# Altium PCB Modulo-1B-TY.PcbDoc (continued)
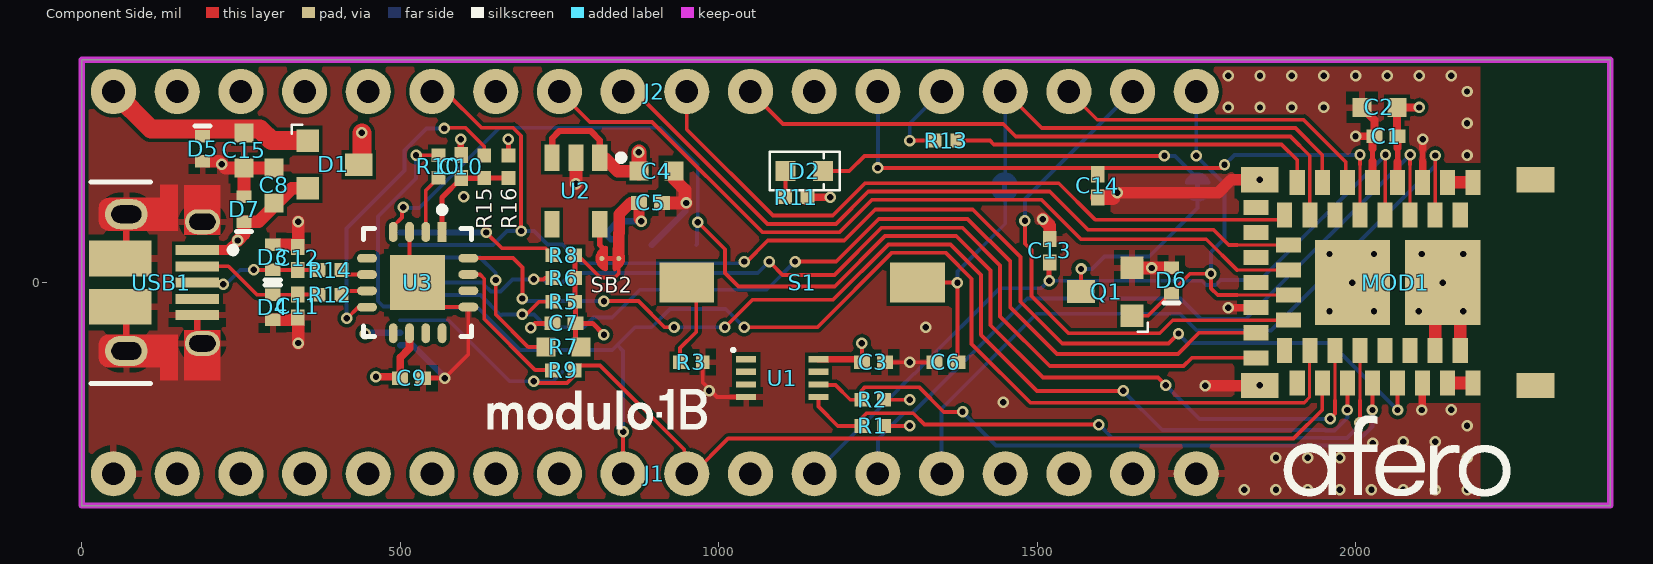
[diagram p0: Component Side view]
## Part data (continued)
R9 R10 R11: library part 0402R-1k, "Resistor 1k", Case/Package=0402, Case Code (Metric)=1005, Manufacturer=Yageo, Manufacturer Part Number=RT0402-FRE071KL, Max Operating Temperature=125°C, Max Power Dissipation=63mW, Min Operating Temperature=-55°C, Package Quantity=10000, Power Rating=62.5mW, Supplier Part Number 1=YAG1234CT-ND, Temperature Coefficient=50ppm/°C, Tolerance=1%, Voltage Rating=50V, Case Code (Imperial)=0402, ComponentLink1Description=https://datasheet.ciiva.com/12834/pyu-rt-1-to-0-05-rohs-l-4-12834181.pdf, ComponentLink1URL=https://datasheet.ciiva.com/12834/pyu-rt-1-to-0-05-rohs-l-4-12834181.pdf, ComponentLink2Description=https://datasheet.ciiva.com/25647/pyu-rt-1-to-0-05-rohs-l-4-25647306.pdf, ComponentLink2URL=https://datasheet.ciiva.com/25647/pyu-rt-1-to-0-05-rohs-l-4-25647306.pdf, ComponentLink3Description=https://datasheet.ciiva.com/8896/pyu-rt-1-to-0-05-rohs-l-4-8896188.pdf, ComponentLink3URL=https://datasheet.ciiva.com/8896/pyu-rt-1-to-0-05-rohs-l-4-8896188.pdf, Composition="Thin Film", Contact Plating=Tin,Lead,Matte, Depth=0.5mm, Height=0.014inch, item_number=E-RES-00002-00, Lead Free="Lead Free", Length=1mm, Military Standard=Not, Number of Terminations=2, Packaging="Tape and Reel", Pricing 1="1=0.1, 10=0.076, 100=0.029, 1000=0.0128, 2500=0.011, 5000=0.0099 (USD)", Radiation Hardening=No, Resistance=1k, Stock 1=16655, Supplier 1=Digi-Key, Termination=SMD/SMT, Voltage Rating (DC)=50V, Width=0.02inch
R12 R14: library part 0402R-27R, "Resistor 27R", Case/Package=0402, Case Code (Metric)=1005, Manufacturer=Vishay, Manufacturer Part Number=CRCW040227R0FKED, Max Operating Temperature=155°C, Max Power Dissipation=63mW, Min Operating Temperature=-55°C, Package Quantity=10, Supplier Part Number 1=541-27.0LCT-ND, Temperature Coefficient=100ppm/°C, Tolerance=1%, Voltage Rating=50V, Case Code (Imperial)=0402, ComponentLink1Description=https://datasheet.ciiva.com/3883/41394838s8306212n6892-3883398.pdf, ComponentLink1URL=https://datasheet.ciiva.com/3883/41394838s8306212n6892-3883398.pdf, ComponentLink2Description=https://datasheet.ciiva.com/2463/dcrcwe3-2463072.pdf, ComponentLink2URL=https://datasheet.ciiva.com/2463/dcrcwe3-2463072.pdf, ComponentLink3Description=https://datasheet.ciiva.com/11811/0900766b80d98824-11811652.pdf, ComponentLink3URL=https://datasheet.ciiva.com/11811/0900766b80d98824-11811652.pdf, ComponentLink4Description=https://datasheet.ciiva.com/16886/dcrcwe3-16886856.pdf, ComponentLink4URL=https://datasheet.ciiva.com/16886/dcrcwe3-16886856.pdf, ComponentLink5Description=https://datasheet.ciiva.com/7672/1697337-7672793.pdf, ComponentLink5URL=https://datasheet.ciiva.com/7672/1697337-7672793.pdf, ComponentLink6Description=https://datasheet.ciiva.com/8336/dcrcwe3-8336681.pdf, ComponentLink6URL=https://datasheet.ciiva.com/8336/dcrcwe3-8336681.pdf, ComponentLink7Description=https://datasheet.ciiva.com/7672/1697337-7672794.pdf, ComponentLink7URL=https://datasheet.ciiva.com/7672/1697337-7672794.pdf, ComponentLink8Description=https://datasheet.ciiva.com/22675/1912744-22675082.pdf, ComponentLink8URL=https://datasheet.ciiva.com/22675/1912744-22675082.pdf, ComponentLink9Description=https://datasheet.ciiva.com/16373/dcrcwe3-16373179.pdf, ComponentLink9URL=https://datasheet.ciiva.com/16373/dcrcwe3-16373179.pdf, ComponentLink10Description=https://datasheet.ciiva.com/26316/fld-crcw-e3-data-en-26316667.pdf, ComponentLink10URL=https://datasheet.ciiva.com/26316/fld-crcw-e3-data-en-26316667.pdf, ComponentLink11Description=https://datasheet.ciiva.com/22870/70201119-22870060.pdf, ComponentLink11URL=https://datasheet.ciiva.com/22870/70201119-22870060.pdf, ComponentLink12Description=https://datasheet.ciiva.com/5548/dcrcwe3-109170-5548813.pdf, ComponentLink12URL=https://datasheet.ciiva.com/5548/dcrcwe3-109170-5548813.pdf, ComponentLink13Description=https://datasheet.ciiva.com/2463/dcrcwe3-2463070.pdf, ComponentLink13URL=https://datasheet.ciiva.com/2463/dcrcwe3-2463070.pdf, ComponentLink14Description=https://datasheet.ciiva.com/22704/1697337-22704430.pdf, ComponentLink14URL=https://datasheet.ciiva.com/22704/1697337-22704430.pdf, ComponentLink15Description=https://datasheet.ciiva.com/2463/dcrcwe3-2463071.pdf, ComponentLink15URL=https://datasheet.ciiva.com/2463/dcrcwe3-2463071.pdf, Composition="Thick Film", Contact Plating=Tin, Depth=0.5mm, Height=0.35mm, item_number=E-RES-00007-00, Lead Free="Lead Free", Length=1mm, Military Standard=Not, Number of Pins=2, Number of Terminations=2, Packaging="Tape and Reel", Power Rating=63mW, Pricing 1="1=0.1, 10=0.044, 100=0.0178, 1000=0.008, 2500=0.007, 5000=0.0058 (USD)", Radiation Hardening=No, REACH SVHC=Unknown, Resistance=27, Stock 1=23435, Supplier 1=Digi-Key, Termination=SMD/SMT, Voltage Rating (DC)=50V, Weight=2.3E-05oz, Width=0.02inch
R15 R16: library part 0402R-0R0, "Resistor 0R", Case/Package=0402, Case Code (Metric)=1005, Manufacturer=Yageo, Manufacturer Part Number=RC0402FR-070RL, Max Operating Temperature=155°C, Min Operating Temperature=-55°C, Power Rating=62.5mW, Resistance=0mR, Supplier Part Number 1=603-RC0402FR-070RL, Temperature Coefficient=200ppm/°C, Tolerance=1%, Voltage Rating=50V, Case Code (Imperial)=0402, ComponentLink1Description=https://datasheet.ciiva.com/8896/pyu-rc0402-51-rohs-l-6-8896149.pdf, ComponentLink1URL=https://datasheet.ciiva.com/8896/pyu-rc0402-51-rohs-l-6-8896149.pdf, ComponentLink2Description=https://datasheet.ciiva.com/16790/pyu-rc0402-51-rohs-l-6-r-16790444.pdf, ComponentLink2URL=https://datasheet.ciiva.com/16790/pyu-rc0402-51-rohs-l-6-r-16790444.pdf, ComponentLink3Description=https://datasheet.ciiva.com/28419/pyu-rc0402-51-rohs-l-6-28419661.pdf, ComponentLink3URL=https://datasheet.ciiva.com/28419/pyu-rc0402-51-rohs-l-6-28419661.pdf, ComponentLink4Description=https://datasheet.ciiva.com/16869/pyu-rc0402-51-rohs-l-6-16869518.pdf, ComponentLink4URL=https://datasheet.ciiva.com/16869/pyu-rc0402-51-rohs-l-6-16869518.pdf, Composition="Thick Film", Contact Plating=Tin,Matte, Height=0.35mm, item_number=item_name, Lead Free="Lead Free", Length=1mm, Packaging="Tape and Reel", Pricing 1="1=0.1, 10=0.01, 50=0.01, 100=0.003, 1000=0.002, 10000=0.002 (USD)", Radiation Hardening=No, Stock 1=240535, Supplier 1=Mouser, Termination=SMD/SMT, Width=0.5mm
S1: "SMD Tact Switch", Contact Current Rating=50mA, Contact Resistance=100mR, Manufacturer="TE Connectivity Alcoswitch", Max Operating Temperature=85°C, Max Voltage Rating (DC)=12V, Min Operating Temperature=-35°C, Operating Force=180gf, Package Quantity=1000, Supplier Part Number 1=450-1140-ND, Voltage Rating (DC)=24V, Actuator Length=0.042inch, Actuator Material=Polyamide, Actuator Type=Standard, ComponentLink1Description=https://datasheet.ciiva.com/5801/1651495-5801350.pdf, ComponentLink1URL=https://datasheet.ciiva.com/5801/1651495-5801350.pdf, ComponentLink2Description=https://datasheet.ciiva.com/14540/70156014-14540390.pdf, ComponentLink2URL=https://datasheet.ciiva.com/14540/70156014-14540390.pdf, ComponentLink3Description=https://datasheet.ciiva.com/5283/ng-cd-1437566-3-c1-116271-5283400.pdf, ComponentLink3URL=https://datasheet.ciiva.com/5283/ng-cd-1437566-3-c1-116271-5283400.pdf, ComponentLink4Description=https://datasheet.ciiva.com/2899/fsmseries-2899676.pdf, ComponentLink4URL=https://datasheet.ciiva.com/2899/fsmseries-2899676.pdf, Contact Material=Brass, Contact Plating=Silver, Current Rating=50mA, Electrical Life=20000Cycles, ELV=Compliant, Illumination Type=Non-Illuminated,Illuminated, item_number=E-SWI-00020-00, Lead Free="Lead Free", Manufacturer Part Number=FSMSM, Mechanical Life=20000Cycles, Mount="Surface Mount", Orientation=Straight, Packaging="Loose Piece", Pricing 1="1=0.27, 10=0.259, 25=0.25, 50=0.241, 100=0.2276, 250=0.2142, 500=0.2053, 1000=0.1562, 5000=0.1294 (USD)", REACH SVHC=Unknown, Stock 1=15505, Supplier 1=Digi-Key, Switch Function=Off-Mom, Switch Travel=0.25mm, Termination="Gull Wing", Throw Configuration=SPST, Type=Switch
SB1 SB2 SB3: library part SBNC, "Solderbridge, Normally Closed", Part Number="Solderbridge Shorted", Artikkelnr Noca=N.A., Artikkelnr Simpro=N.A., Footprint Doc=Solderbridge_Shorted, LatestRevisionDate=2012-08-07, Pin Count=2, Published=2012-08-07, Publisher="Nordic Semiconductor"
TP3 TP4 TP5 TP6 TP7 TP8 TP9 TP10 TP11: "1mm Test Point", item_number=item_name
U1: "Afero Custom CryptoAuthentication Device", Manufacturer="Microchip / Atmel", Manufacturer Part Number=ATECC508A-MAHCZ-T, Max Operating Temperature=85°C, Min Operating Temperature=-40°C, Supplier Part Number 1=1611-ATECC508A-MAHCZ-TCT-ND, item_number=E-ICS-00072-00, Mount="Surface Mount", Packaging="Tape and Reel", Pricing 1="1=0.35, 25=0.32, 100=0.29 (USD)", Stock 1=4638, Supplier 1=Digi-Key
U2: "Low Current Consumption LDO", Case/Package=SOT-23-5, Dropout Voltage=160mV, Manufacturer=Seiko, Output Voltage=3.3V, Output Voltage Accuracy=1%, Supplier Part Number 1=S-1313A33-M5T1U3-ND, item_number=E-ICS-00092-00, Manufacturer Part Number=S-1313A33-M5T1U3, Stock 1=0, Supplier 1=Digi-Key
U3: "USB to UART Bridge", Manufacturer=FTDI, Manufacturer Part Number=FT230XQ-R, Maximum Operating Temperature="+ 85 C", Minimum Operating Temperature="- 40 C", Operating Supply Current="6.5 mA to 8.3 mA", Operating Supply Voltage="2.97 V to 5.5 V", Package / Case=QFN-16, Supplier Part Number 1=895-FT230XQ-R, Supply Voltage - Max="5.5 V", Supply Voltage - Min="2.97 V", Brand=FTDI, Category="USB Interface IC", ComponentLink1Description=http://www.mouser.com/ds/2/163/DS_FT230X-5395.pdf, ComponentLink1URL=http://www.mouser.com/ds/2/163/DS_FT230X-5395.pdf, Data Rate="12 Mb/s", Interface Type="UART, USB", item_number=E-ICS-00053-00, Minimum Order Quantity=1, Moisture Sensitive=Yes, Mounting Style=SMD/SMT, Packaging="Cut Tape", Pricing 1="1=2.04, 25=1.97, 100=1.90, 250=1.71, 500=1.54, 1000=1.46, 2500=1.38, 5000=1.38 (USD)", Product="USB Bridge Controllers", Reeling=True, RoHS="RoHS Compliant", RoHS - Mouser=Y, Series=FT230, Speed="Full Speed", Standard="USB 2.0", Standard Pack Qty=5000, Stock 1=86769, Supplier 1=Mouser, Tradename=X-CHIP, Type="Bridge, USB to UART"
USB1: "MICRO USB B", Current Rating=1.8A, Insulation Resistance=1GR, Manufacturer="Amphenol FCI", Max Operating Temperature=85°C, Max Voltage Rating (AC)=100V, Min Operating Temperature=-55°C, Package Quantity=1500, Supplier Part Number 1=609-4050-1-ND, ComponentLink1Description=https://datasheet.ciiva.com/8015/10103594-8015248.pdf, ComponentLink1URL=https://datasheet.ciiva.com/8015/10103594-8015248.pdf, ComponentLink2Description=https://datasheet.ciiva.com/11731/0900766b80ed1ae4-11731328.pdf, ComponentLink2URL=https://datasheet.ciiva.com/11731/0900766b80ed1ae4-11731328.pdf, ComponentLink3Description=https://datasheet.ciiva.com/14618/70236822-14618885.pdf, ComponentLink3URL=https://datasheet.ciiva.com/14618/70236822-14618885.pdf, ComponentLink4Description=https://datasheet.ciiva.com/22654/1469075-22654519.pdf, ComponentLink4URL=https://datasheet.ciiva.com/22654/1469075-22654519.pdf, ComponentLink5Description=https://datasheet.ciiva.com/851/10103594-851115.pdf, ComponentLink5URL=https://datasheet.ciiva.com/851/10103594-851115.pdf, ComponentLink6Description=https://datasheet.ciiva.com/5726/10103594-5726971.pdf, ComponentLink6URL=https://datasheet.ciiva.com/5726/10103594-5726971.pdf, ComponentLink7Description=https://datasheet.ciiva.com/851/10103594-851116.pdf, ComponentLink7URL=https://datasheet.ciiva.com/851/10103594-851116.pdf, ComponentLink8Description=https://datasheet.ciiva.com/851/10103594-851117.pdf, ComponentLink8URL=https://datasheet.ciiva.com/851/10103594-851117.pdf, Connector Type=USB,Receptacle, Contact Material="Copper,Copper Alloy", Contact Plating=Gold, Features=Shielded, Gender=Receptacle, Housing Material=Thermoplastic, item_number=M-CON-00011-00, Lead Free="Lead Free", Length=8.04mm, Manufacturer Part Number=10103594-0001LF, Mount="Surface Mount,Horizontal", Number of Contacts=5, Number of Ports=1, Number of Terminals=5, Orientation="Right Angle", Packaging="Tape and Reel", Pitch=0.65mm, Pricing 1="1=0.82, 10=0.721, 25=0.6788, 50=0.6504, 100=0.6221, 250=0.5655, 500=0.509 (USD)", Radiation Hardening=No, REACH SVHC="No SVHC", Stock 1=103885, Supplier 1=Digi-Key, Termination=Solder, USB Standard="USB 2.0", Voltage Rating=100V
J1 J2: item_number=M-CON-00058-00

## Via types
v1: diameter 18, hole 10, Component Side to Solder Side, tented both sides, 124 vias

## Nets (pads, with @x,y where several pads share a name; then routed paths per layer and width w, separated by ;. In a path a pad name is that pad's centre, name@x,y a point inside that pad or via, vN(x,y) a via of type N, cw(c..) or ccw(c..) an arc to the next point about the centre after c; other vN are vias at no path point)
3V3: C1.1 C2.1 C3.1 C5.1 C7.1 J1.15 J3.2 MOD1.4 R1.1 R2.1 R5.1 R6.1 R7.1 R8.1 R11.2 R16.2 SB2.2 TP10.1 U1.8 | length 1551.9
  Component Side w6: R5.1@774.61,-30 R5.1@774.61,-25 ; R8.1 779.11,43 814.15,7.95 837,7.95 843.3,14.25 SB2.2 ; R11.2@1135.43,125 R11.2@1135.77,124.67 ; C3.1@1225,-120.55 v1(1225,-95.47) ; R1.1@1260.43,-225 v1(1300,-225) ; R2.1@1260.43,-184 v1(1300,-184)
  Component Side w8: R16.2 v1(670,225) ; R5.1@774.61,-30 775.11,-30.5 C7.1 ; R5.1 R6.1 R8.1 ; R7.1 775.11,-92.11 C7.1 ; v1(820,-81.69) 802.31,-64 C7.1 ; 843.3,77.55 843.75,78 ; 2066.31,189.62 2066.31,210.94
  Component Side w10: v1@444,-83.16 445,-82.16 v1(445,-80) ; U1.8 1156.77,-120.55 1220.55,-120.55 C3.1
  Component Side w12: R11.2 v1(1175,134) ; MOD1.4 2065.93,189.62 ; 2065.93,211.32 C1.1 2065,230.5 C2.1 v1(2100,275)
  Component Side w18: SB2.2 843.3,77.55 ; 843.75,78 843.75,107.35 862.02,125.62 C5.1@876.25,125.62 ; C5.1 875,99.97 v1(878.38,96.59)
  Signal Layer 1 w10: v1(445,-80) 445,-22 444,-21 v1(600,135) 839.97,135 v1(878.38,96.59)
  Solder Side w10: v1(445,-80) 446.26,-78.74 J3.2 ; TP10.1@833.02,68.02 830.55,68.02 825,73.57 825,79.31 842.28,96.59 v1(878.38,96.59)
GND: C1.2 C2.2 C3.2 C4.2 C5.2 C6.2 C7.2 C8.2 C9.2 C10.2 C11.2 C12.2 C13.2 C14.2 C15.2 D3.2 D4.2 D5.2 D6.2 D7.2 J1.1 J1.18 J3.1 MOD1.3 MOD1.5 MOD1.13 MOD1.21 MOD1.42 MOD1.43 MOD1.44 MOD1.45 MOD1.47 MOD1.48 Q1.2 R3.2 TP9.1 U1.4 U2.2 U3.3 U3.13 U3.17 USB1.5 USB1.6 USB1.7 USB1.8 USB1.9 USB1.10 USB1.11 | length 2414.8
  Component Side w6: U3.3 514.7,12.8 U3.17 565.89,-38.39 U3.13 607.03,-112.97 v1(570,-150) C9.2 ; C10.2@595,205 C10.2@600,200 ; v1@947.42,126.91 v1(949.33,125) ; R3.2 975,-156.82 985,-166.82 v1(985,-169.53) 987.71,-169.53 997.71,-179.53 U1.4 ; C3.2 v1(1300,-125) C6.2 ; MOD1.13 MOD1.13@1844.49,-39.37 ; v1(2104,-200) v1@2104.65,-199.35 ; MOD1.21@2104.65,-158.13 MOD1.21 ; MOD1.44@2124.98,-11.81 v1(2136.8,0)
  Component Side w8: v1(705,-71) 712,-64 C7.2 ; 1618.76,133.89 v1(1626.12,141.25) ; MOD1.48@1848.69,-162.12 v1(1849.39,-161.42) ; 2026.56,190.41 2026.56,210 ; 2105.3,189.55 2105.3,210.56
  Component Side w10: USB1.11 70.28,-47.74 USB1.8 ; USB1.10 70.28,47.74 USB1.9 ; USB1.5 181.5,-87.4 USB1.7 ; C10.2@595,205 v1(595,225)
  Component Side w12: C12.2@337.17,56.22 337.97,57.03 C12.2@340,59.06 ; v1(1800,-39.37) MOD1.13 ; v1(2000,229.57) C1.2 ; C2.2 2029.71,255.29 C1.2 ; MOD1.5 2026.56,190.41 ; 2026.56,210 2026.56,226.42 C1.2 ; v1@2104.65,-199.35 MOD1.21@2104.65,-158.13 ; MOD1.3 2105.3,189.55 ; 2105.3,210.56 v1(2105.3,225)
  Component Side w18: v1(1626.12,141.25) 1784.42,141.25 1804.59,161.42 v1(1849.39,161.42) ; v1(1764,-162.12) MOD1.48@1848.69,-162.12
  Component Side w20: D5.2 215.37,190.63 v1(220,186) 226,180 C15.2 ; D7.2 C15.2 ; D4.2 340,-58.53 v1(340,-94.93) ; D3.2 335.63,59.37 337.97,57.03 C12.2 ; C8.2 C15.2 ; C12.2@340,59.06 v1(340,95.47) ; v1(776,155) U2.2 ; C5.2 v1(949.33,125) ; C4.2 930,163.04 947.42,145.62 v1@947.42,126.91 ; v1(1509,99.68) 1520,88.68 C13.2 ; Q1.2 v1(1680,23) D6.2 ; MOD1.42 MOD1.44@2124.98,-11.81 ; v1(2136.8,0) 2164.35,-27.56 MOD1.43
  Component Side w24: C14.2 1618.76,133.89
  Solder Side w10: J3.1 519.68,-98.43 570,-148.74 v1(570,-150) ; TP9.1 947.8,111.86 947.8,123.47 v1(949.33,125)
  other v1: 1825,-325 1875,-325 1925,-325 1975,-325 2025,-325 2075,-325 2125,-325 2175,-325 1875,-275 1925,-275 1975,-275 2175,-275 2027,-252 2075,-250 2125,-250 2175,-225 2150,-199.35 1447,-188 1325,-70 1959,-45 2029,-45 2099,-45 2169,-45 1995.06,0 1959,45 2029,45 2104,45 2169,45 2175,200 2175,250 1800,275 1850,275 1900,275 1950,275 2175,300 1800,325 1850,325 1900,325 1950,325 2000,325 2050,325 2100,325 2150,325
HOST_INT_N: C14.1 J2.6 MOD1.28 | length 979.8
  Component Side w5: MOD1.28 2007,106.43 2007,185
  Component Side w6: v1(1250,180) 1789.23,180 v1(1794.23,185) ; 2007,185 v1(2007,200.55)
  Solder Side w6: v1(1250,180) J2.6 ; v1(1794.23,185) 1809.78,200.55 v1(2007,200.55)
HOST_UART_CTS: MOD1.18 TP4.1 U3.16 | length 1746.3
  Component Side w6: U3.16 677.21,38.39 692,23.59 v1(692,-25) ; v1(820,-29) 874,-29 915,-70 v1(930,-70) ; v1(1010,-70) 1053,-27 1179.68,-27 1266.68,60 1364,60 1412,12 1412,-82 1500,-170 v1(1635,-170) ; v1(1987.19,-200) MOD1.18
  Solder Side w6: v1(692,-25) 695.69,-28.69 819.69,-28.69 v1(820,-29) ; v1(930,-70) TP4.1 v1(1010,-70) ; v1(1635,-170) 1696.57,-231.57 1952.11,-231.57 1952.54,-232 1967.46,-232 1987.19,-212.27 v1(1987.19,-200)
HOST_UART_RTS: MOD1.38 TP3.1 U3.4 | length 2080
  Component Side w5: 1967.5,-185 MOD1.38
  Component Side w6: U3.4 489.11,88.39 503.09,102.36 503.09,116.2 v1(505,118.11) ; v1(967.33,95) 1010,52.33 1010,15 1031,-6 1182.3,-6 1261.3,73 1373,73 1427,19 1427,-67 1509.16,-149.16 1690,-149.16 v1(1702.26,-161.42) ; v1(1960,-214) 1960,-213 1967.5,-205.5 1967.5,-185
  Solder Side w6: v1(505,118.11) 506.11,117 530,117 656,243 909,243 967.33,184.67 v1(967.33,95) 966.17,93.83 966.17,60.22 TP3.1 ; v1(1702.26,-161.42) 1754.84,-214 v1(1960,-214)
HOST_UART_RX: J1.10 J3.3 MOD1.17 R9.2 TP6.1 | length 1734.7
  Component Side w6: v1(710,-155) 712.83,-157.83 762.17,-157.83 774.72,-145.28 774.72,-130 814,-130 946,-262 946,-296 J1.10 960,-300 1015,-245 1902.82,-245 1947.82,-200 MOD1.17
  Solder Side w6: J3.3 575.75,-59.06 671.7,-155 v1(710,-155) 740,-155 TP6.1
HOST_UART_TX: J1.9 J3.4 MOD1.37 R10.2 TP5.1 | length 2313.9
  Component Side w5: 1805,-188.6 1816.76,-188.6 1919.43,-188.6 1927.76,-180.27 1927.76,-106.67 MOD1.37
  Component Side w6: v1(525,200) R10.2 ; J1.9 v1(850,-234) ; v1(1040,-70) 1155.07,-70 1272.07,47 1356,47 1397,6 1397,-96.16 1489.44,-188.6 1805,-188.6
  Solder Side w6: v1(525,200) 525,163.57 465.41,103.98 465.41,-29.32 473.56,-37.46 498.09,-37.46 J3.4 622,-39.37 688.63,-106 833,-106 840.81,-98.19 ; v1@850,-237 v1(850,-234) 850,-107.37 840.81,-98.19 ; v1(1040,-70) 1011.32,-41.32 923.68,-41.32 TP5.1 869,-70 840.81,-98.19
IO0_A0: D6.1 J2.1 MOD1.34 Q1.1 | length 613.5
  Component Side w5: 1814,-19.68 MOD1.34
  Component Side w6: Q1.1 1674,-52 1740,14 v1(1773,14) 1773,-9 1783.68,-19.68 1814,-19.68
  Solder Side w6: J2.1 v1(1750,199) 1794.23,154.77 1794.23,69.23 1773,48 v1(1773,14)
IO1_A1: J2.2 MOD1.35 | length 831.5
  Component Side w5: 1814,-59.06 MOD1.35
  Component Side w6: v1(1481,97) 1481,61 1491,51 1491,-21 1549.53,-79.53 1692.47,-79.53 1712.94,-59.06 1814,-59.06
  Solder Side w6: v1(1481,97) 1481,131 J2.2
IO2_A2: J2.3 MOD1.6 | length 513.4
  Component Side w6: J2.3 1594.43,255.57 1918.43,255.57 1984.66,189.34 1984.66,160.01 MOD1.6
IO3_A3: J2.4 MOD1.7 SB3.1 | length 715.8
  Component Side w6: J2.4 1507.43,242.57 1905.8,242.57 1947.82,200.55 MOD1.7
  Solder Side w6: SB3.1@1450,166.3 J2.4
IO4_D4: J2.8 MOD1.30 | length 1012.8
  Component Side w5: MOD1.30 1928.13,185
  Component Side w6: J2.8 1101,249 1447,249 1466.43,229.57 1897.76,229.57 1928.13,199.19 1928.13,185
IO5_D5: J2.9 MOD1.31 | length 1102.1
  Component Side w5: 1814,98.8 1881.26,98.8 MOD1.31
  Component Side w6: J2.9 950,240.62 1085.45,105.17 1179.17,105.17 1230,156 1534,156 1591.2,98.8 1814,98.8
IO6_D6: J2.10 MOD1.32 | length 1186.6
  Component Side w5: 1814,59.06 MOD1.32
  Component Side w6: J2.10 869,300 1076.83,92.17 1184.17,92.17 1235,143 1520,143 1580,83 1777,83 1800.94,59.06 1814,59.06
IO7_D7: J2.11 MOD1.33 | length 1302.9
  Component Side w5: 1814,19.68 MOD1.33
  Component Side w6: J2.11 797.75,252.25 895.48,252.25 1068.55,79.17 1190.17,79.17 1241,130 1507,130 1569,68 1765.68,68 1814,19.68
NetC4_1: C4.1 D1.3 U2.1 U2.3 | length 764.7
  Component Side w10: U2.3 738.6,226.6 750,238 799,238 813.4,223.6 U2.1
  Component Side w20: U2.1@821.13,195.37 841.5,175 C4.1
  Component Side w24: C4.1@874.88,175.12 v1(874.88,204.62)
  Component Side w30: D1.3 440,190 v1(440,235) ; C4.1@874.88,175.12 C4.1
  Signal Layer 1 w30: v1(440,235) 506,169 632,169 658,195 841,195 851,205 874.5,205 v1(874.88,204.62)
NetC6_1: C6.1 S1.1 SB3.2 | length 358.6
  Component Side w6: S1.1 v1(1375,0) C6.1
  Solder Side w6: v1(1375,0) 1375,17.48 1450,92.48 SB3.2@1450,139.7
NetC10_1: C10.1 R15.1 R16.1 U3.1 | length 171
  Component Side w8: U3.1 565.89,133.78 C10.1 631.61,163.89 R15.1 R16.1
NetC11_1: C11.1 D4.1 R12.1 USB1.2 | length 209.5
  Component Side w6: USB1.2 230.25,25.59 275,-19.16 D4.1 338.73,-19.16 C11.1 372.02,-18.89 R12.1
NetC12_1: C12.1 D3.1 R14.1 USB1.3 | length 201.5
  Component Side w6: USB1.3 184.21,-2.72 v1(222.01,-2.72) ; v1(270,20) D3.1 338.78,20 C12.1 372.18,19.78 R14.1
  Solder Side w6: v1(222.01,-2.72) 226.23,-2.72 248.95,20 v1(270,20)
NetD2_A: D2.A R11.1 | length 41.4
  Component Side w6: R11.1 1105,134.72 D2.A
NetD2_K: D2.K SB1.2 | length 612.6
  Component Side w6: D2.K 1205,175.12 1228.88,199 v1(1700,199)
  Solder Side w6: v1(1700,199) 1716.3,199 SB1.2
NetJ3_8: J3.8 R7.2 | length 325.2
  Component Side w6: v1(650,4) 650,-50 701,-101 R7.2
  Solder Side w6: J3.8 625.63,39.37 650,15 v1(650,4)
NetJ3_10: J3.10 R8.2 | length 254.1
  Component Side w6: v1(635,78.74) 659.89,53.85 728.43,53.85 R8.2
  Solder Side w10: J3.10 v1(635,78.74)
NetMOD1_1: MOD1.1 MOD1.2 | length 39.4
  Component Side w20: MOD1.2 MOD1.1
NetMOD1_22: MOD1.22 MOD1.23 | length 39.4
  Component Side w20: MOD1.22 MOD1.23
NetQ1_3: Q1.3 SB1.1 | length 279.7
  Component Side w6: Q1.3 v1(1569,21.39)
  Solder Side w6: v1(1569,21.39) 1586.39,21.39 1606,41 1676.14,41 1752,116.86 1750.64,116.86 1752,118.22 SB1.1
NetR3_1: R3.1 S1.2 | length 141.7
  Component Side w6: R3.1 939.57,-102.87 965,-77.44 965,-15 S1.2
NetR9_1: R9.1 U3.15 | length 239.5
  Component Side w6: U3.15 625.2,12.8 632,6 632,-57 712,-137 737.28,-137 R9.1
  Component Side w8: U3.15@598.17,12.8 U3.15
NetR10_1: R10.1 U3.2 | length 93.2
  Component Side w6: U3.2 540.3,144.86 R10.1
NetR15_2: R15.2 U3.8 | length 506
  Component Side w6: v1(416,-56) 417,-56 434.42,-38.58 U3.8 ; v1(569,242) 570,243 602.46,243 632,213.46 R15.2
  Solder Side w6: v1(416,-56) 416,85 507,176 507,207.46 541.54,242 v1(569,242)
NetSB2_1: SB2.1 U2.5 | length 55.2
  Component Side w8: 813.4,59 U2.5 ; 813.55,59 816.7,55.85 SB2.1
RESET_N: J2.13 J3.9 MOD1.20 TP11.1 | length 2176.4
  Component Side w6: J2.13 570.57,300 627.57,243 677.46,243 690,230.46 v1(690,81) ; v1@1042,31 1077.17,66.17 1197.17,66.17 1246,115 1399,115 1474,40 1474,-30 1539.47,-95.47 1706.53,-95.47 v1(1722,-80) ; v1(2065.93,-200) MOD1.20
  Solder Side w6: J3.9 646,59.06 667.94,81 v1(690,81) 710.22,81 731.22,60 TP11.1 784.63,30.37 1036.04,30.37 1036.67,31 v1@1042,31 ; v1@1721.47,-80.53 1735.94,-95 1960.93,-95 v1(2065.93,-200)
  other v1: 1040,33.09
SCL: MOD1.19 R2.2 U1.6 | length 1015.3
  Component Side w6: U1.6 1157.61,-160.76 1183.53,-160.76 1206.77,-184 R2.2 1224.28,-169.72 1229.83,-164.17 1314.63,-164.17 1353.46,-203 v1(1383,-203) ; v1(2026.56,-200) MOD1.19
  Solder Side w6: v1(1383,-203) 1435.57,-255.57 1942.17,-255.57 1942.6,-256 1996.33,-256 2026.56,-225.77 v1(2026.56,-200)
SDA: MOD1.39 R1.2 U1.5 | length 1035.3
  Component Side w5: 2006.87,-185 MOD1.39
  Component Side w6: U1.5 1156.69,-194.69 1187,-225 R1.2 1225,-225 1225,-212.33 1232.16,-205.17 1305.63,-205.17 1323.46,-223 v1(1597,-223) ; v1(2006.87,-220) 2006.87,-185
  Solder Side w6: v1(1597,-223) 1617.57,-243.57 1947.14,-243.57 1947.57,-244 1986.43,-244 2006.87,-223.55 v1(2006.87,-220)
SPI_CS_N: C13.1 J1.12 MOD1.27 | length 1233.5
  Component Side w5: MOD1.27 2046.62,106.67 2046.62,185
  Component Side w6: 2046.62,185 2046.62,200.17 v1(2047,200.55)
  Component Side w8: v1(1519,3) C13.1@1519,31.28
  Solder Side w6: J1.12 1282,-168 1282,-167.54 1292.54,-157 1293,-157 1307,-143 1307.46,-143 1318,-132.46 1318,-132 1441,-9 1506,-9 1518,3 v1(1519,3) 1758.54,3 1765.54,-4 1780.46,-4 1788.46,4 1850.45,4 v1(2047,200.55)
SPI_MISO: J1.14 MOD1.25 | length 1166.2
  Component Side w5: MOD1.25 2124.98,185
  Component Side w6: 2124.98,185 v1(2124.98,199.57)
  Solder Side w6: J1.14 1350,-198 1499,-49 1724.64,-49 1750.64,-75 1867,-75 2124.98,182.98 v1(2124.98,199.57)
SPI_MOSI: J1.13 MOD1.26 | length 1195.7
  Component Side w5: MOD1.26 2085.61,185
  Component Side w6: 2085.61,185 v1(2085.61,200.55)
  Solder Side w6: J1.13 1250,-246 1291,-205 1304.46,-205 1484.46,-25 1725,-25 1757.37,-57.37 1827.69,-57.37 v1(2085.61,200.55)
SPI_SCLK: MOD1.8 R13.2 | length 581.4
  Component Side w6: R13.2 1426,223 1432,217 1884,217 1908.45,192.55 MOD1.8
SPI_SCLK_R: J2.5 R13.1 | length 137
  Component Side w6: v1(1300,223) R13.1
  Solder Side w6: v1(1300,223) 1300,250 J2.5
SWCLK: J3.6 MOD1.15 R6.2 TP8.1 | length 1579.8
  Component Side w6: v1(710,5) 725,5 727,7 R6.2 ; v1@1082.25,30.3 1100.55,12 1181.91,12 1255.91,86 1383,86 1442,27 1442,-53 1520,-131 1730,-131 1742.89,-118.11 MOD1.15
  Solder Side w6: J3.6 629,0 632,-3 632,-3.46 642.54,-14 657.46,-14 676.46,5 v1(710,5) 725,5 730,0 TP8.1 770.09,15.09 1061.54,15.09 1076.75,30.3 v1@1079.54,30.3
  other v1: 1079.54,33.09
SWDIO: J3.5 MOD1.14 R5.2 TP7.1 | length 1636.7
  Component Side w6: v1(692,-50) 698,-50 718,-30 R5.2 ; v1(1120,33.09) 1184.62,33.09 1251.53,100 1391,100 1458,33 1458,-39 1531,-112 1721,-112 1754.26,-78.74 MOD1.14 MOD1.14@1844.49,-78.74
  Solder Side w6: J3.5 626,-19.68 658.32,-52 660.32,-50 v1(692,-50) 710,-50 730,-70 TP7.1 788.46,-70 803.46,-55 833,-55 876.74,-11.26 1075.65,-11.26 v1(1120,33.09)
USB_N: R12.2 U3.7 | length 42.8
  Component Side w6: R12.2 413.88,-12.99 U3.7
USB_P: R14.2 U3.6 | length 47.3
  Component Side w6: R14.2 407.72,12.6 U3.6
VIN: C15.1 D1.1 D5.1 J2.18 | length 336.9
  Component Side w30: J2.18 109,241 280,241 298,223 D1.1
VUSB: C8.1 C9.1 D1.2 D7.1 U3.10 USB1.1 | length 698.2
  Component Side w10: U3.10@514.7,-89.41 U3.10
  Component Side w12: v1(462,-148) 498,-148 C9.1 500,-117.7 514.7,-103 U3.10@514.7,-89.41
  Component Side w15: USB1.1 230.01,51.18 v1(245,66.17)
  Component Side w20: v1(245,66.17) 255,76.17 D7.1 277.63,95.63 330,148 D1.2
  Signal Layer 1 w20: v1(245,66.17) 287.83,66.17 382,-28 382,-117 413,-148 v1(462,-148)
pads on no net: J1.2 J1.3 J1.4 J1.5 J1.6 J1.7 J1.8 J1.11 J1.16 J1.17 J2.7 J2.12 J2.14 J2.15 J2.16 J2.17 J3.7 J3.11 J3.12 MOD1.9 MOD1.10 MOD1.11 MOD1.12 MOD1.16 MOD1.24 MOD1.29 MOD1.36 MOD1.40 MOD1.41 MOD1.46 MOD1.49 U1.1 U1.2 U1.3 U1.7 U2.4 U3.5 U3.9 U3.11 U3.12 U3.14 USB1.4

## Polygon pours and split planes (outlines as drawn)
3V3 on Signal Layer 1 "3V3 Region" (solid, remove dead copper, pour order 0): 395,375 -25,375 -25,-375 1505,-375 2195,-375 2195,375
GND on Signal Layer 2 "GND region" (solid, remove dead copper, pour order 2): -45,420 -45,-410 2195,-410 2195,424.9
GND on Solder Side "GND_L04_P004" (solid, pour order 4): -32,438.2 -32,-476.8 2196,-476.8 2196,438.2
GND on Component Side "GND_L01_P006" (solid, remove dead copper, pour order 6): -32,438.2 -32,-476.8 2196,-476.8 2196,438.2

## Keep-outs
Keep-Out Layer:
  the board outline again, w10

## Other copper
Component Side:
  pour cut-out: 1816.76,-188.6 1817.91,-189.75 2200,-189.75 2200,187.25 2199.38,187.88 1817,187.88

## Silkscreen, mask and mechanical layers (free items; w line width, h text height)
Top Overlay:
  drawing of 3973 lines, arcs and shapes, not listed
Bottom Overlay:
  circle w7.87: c1749,63 r3.61
  circle w5.91: c1750,-85 r0.5
  circle w5.91: c1450,-85 r0.5
  circle w5.91: c1749.32,60 r25
  lines w5.91: 1430,-55 1470,-55 ; 1440,-70 1460,-70 ; 1450,-55 1450,-35 1460,-26.91 1440,-20 1460,-10 1440,0 1450,6.57 1450,30 ; 1450,122 1450,80 1450,65 1470.95,35.68 ; 1450,178 1450,188 ; 1450,240 1450,257 ; 1729.66,-55 1769.66,-55 ; 1736,48 1763,48 ; 1736,68 1763,68 ; 1736.21,67.79 1749,55 1762.78,67.79 ; 1740,-70 1760,-70 ; 1749,48 1749,6.13 1739.66,0 1759.66,-10 1739.66,-20 1759.66,-26.91 1749.66,-35 1749.66,-55 ; 1750,70 1750,122 ; 1750,177 1750,188 ; 1750,241 1750,257 ; 1769.66,30.68 1774.66,25 ; 1779.66,40 1784.66,35
  lines w7.87: 740,125 800,125 825,100 ; 895,100 920,125 970,125
  text "SCLK" at 1376,223 h50 r60
  text "INT" at 1275,219 h50 r60
  text "RESET" at 579,218 h50 r60
  text "IO7" at 781,200 h50
  text "IO6" at 882,200 h50
  text "IO5" at 983,200 h50
  text "IO4" at 1083,200 h50
  text "IO3" at 1484,200 h50
  text "IO2" at 1583,200 h50
  text "IO1" at 1681,200 h50
  text "IO0" at 1781,200 h50
  text "VIN" at 173,187 h50
  text "5.5V MAX" at 220,153 h40
  text "3V3" at 725,115 h39.37
  text "GND" at 1060,115 h39.37
  text "RESET" at 725,45 h39.37
  text "RTS" at 1060,45 h39.37
  text "SWCLK" at 725,-10 h39.37
  text "SWDIO" at 725,-80 h39.37
  text "TX" at 865,-80 h39.37
  text "CTS" at 1060,-80 h39.37
  text "Modulo-1B-TY / A-PCB-00038-00 / PVT" at 2231,-147 h50 r270
  text "RX" at 725,-155 h39.37
  text "GND" at 113,-225 h50
  text "TX" at 850,-225 h50 r300
  text "RX" at 950,-225 h50 r300
  text "CS" at 1150,-225 h50 r300
  text "MOSI" at 1250,-225 h50 r300
  text "MISO" at 1348,-225 h50 r300
  text "3V3 / OUT" at 1496,-225 h50
  text "GND" at 1799,-225 h50
Mechanical 1:
  drawing of 400 lines, arcs and shapes, not listed
  text "Layer" at 24.92,5631.46 h60
  text "Name" at 434.84,5631.46 h60
  text "Material" at 1374.58,5631.46 h60
  text "Thickness" at 2234.34,5631.46 h60
  text "Constant" at 2884.18,5631.46 h60
  text "Board Layer Stack" at 3454.04,5631.46 h60
  text "1" at 24.92,5511.46 h60
  text "Top Overlay" at 434.84,5511.46 h60
  text "2" at 24.92,5391.46 h60
  text "Top Solder" at 434.84,5391.46 h60
  text "Solder Resist" at 1374.58,5391.46 h60
  text "0.40mil" at 2234.34,5391.46 h60
  text "3.5" at 2884.18,5391.46 h60
  text "3" at 24.92,5271.46 h60
  text "Component Side" at 434.84,5271.46 h60
  text "Copper" at 1374.58,5271.46 h60
  text "1.40mil" at 2234.34,5271.46 h60
  text "4" at 24.92,5151.46 h60
  text "Dielectric 1" at 434.84,5151.46 h60
  text "FR408" at 1374.58,5151.46 h60
  text "6.70mil" at 2234.34,5151.46 h60
  text "4.2" at 2884.18,5151.46 h60
  text "5" at 24.92,5031.46 h60
  text "Signal Layer 2" at 434.84,5031.46 h60
  text "Copper" at 1374.58,5031.46 h60
  text "0.71mil" at 2234.34,5031.46 h60
  text "6" at 24.92,4911.46 h60
  text "Dielectric 3" at 434.84,4911.46 h60
  text "FR408" at 1374.58,4911.46 h60
  text "47.00mil" at 2234.34,4911.46 h60
  text "4.2" at 2884.18,4911.46 h60
  text "7" at 24.92,4791.46 h60
  text "Signal Layer 1" at 434.84,4791.46 h60
  text "Copper" at 1374.58,4791.46 h60
  text "0.71mil" at 2234.34,4791.46 h60
  text "8" at 24.92,4671.46 h60
  text "Dielectric 4" at 434.84,4671.46 h60
  text "FR408" at 1374.58,4671.46 h60
  text "6.70mil" at 2234.34,4671.46 h60
  text "4.2" at 2884.18,4671.46 h60
  text "9" at 24.92,4551.46 h60
  text "Solder Side" at 434.84,4551.46 h60
  text "Copper" at 1374.58,4551.46 h60
  text "1.40mil" at 2234.34,4551.46 h60
  text "10" at 24.92,4431.46 h60
  text "Bottom Solder" at 434.84,4431.46 h60
  text "Solder Resist" at 1374.58,4431.46 h60
  text "0.40mil" at 2234.34,4431.46 h60
  text "3.5" at 2884.18,4431.46 h60
  text "11" at 24.92,4311.46 h60
  text "Bottom Overlay" at 434.84,4311.46 h60
Mechanical 13:
  text "Copyright 2018, 2019 Afero, Inc. /  / Licensed under the Apache License, Version 2.0 (the \"License\");  / you may not use this file except in compliance with the License.   / You may obtain a copy of the License at /  /    http://www.apache.org/licenses/LICENSE-2.0 /  / Unless required by applicable law or agreed to in writing, software  / or hardware designs distributed under the License are distributed  / on an \"AS IS\" BASIS, WITHOUT WARRANTIES OR CONDITIONS  / OF ANY KIND, either express or  implied.  See the License for the  / specific language governing permissions and limitations under the  / License." at 3417,-368 h60
Drill Drawing:
  circle w10: c41.29,2231.59 r27.67
  lines w10: 13.62,2383.77 68.96,2383.77 41.29,2328.43 13.62,2383.77 ; 13.62,2452.94 68.96,2452.94 68.96,2508.28 13.62,2508.28 13.62,2452.94 ; 13.62,2577.45 41.29,2591.28 68.96,2577.45 55.12,2605.11 68.96,2632.78 41.29,2618.95 13.62,2632.78 27.46,2605.11 13.62,2577.45
  lines w15: -36.54,2166.57 8502.1,2166.57 ; -36.54,2664.6 8502.1,2664.6 ; 426.15,2042.07 426.15,2789.11 ; 919.15,2042.07 919.15,2789.11 ; 1835.34,2042.07 1835.34,2789.11 ; 2260.68,2042.07 2260.68,2789.11 ; 2875.21,2042.07 2875.21,2789.11 ; 4314.15,2042.07 4314.15,2789.11 ; 4809.19,2042.07 4809.19,2789.11 ; 5433.68,2042.07 5433.68,2789.11 ; 6424.55,2042.07 6424.55,2789.11 ; 7332.44,2042.07 7332.44,2789.11 ; -36.54,2042.07 8502.1,2042.07 8502.1,2789.11 -36.54,2789.11 -36.54,2042.07
  text "Symbol" at 38.17,2701.95 h59.76
  text "Count" at 463.5,2701.95 h59.76
  text "Hole Size" at 956.5,2701.95 h59.76
  text "Plated" at 1872.69,2701.95 h59.76
  text "Hole Type" at 2298.03,2701.95 h59.76
  text "Drill Layer Pair" at 2912.56,2701.95 h59.76
  text "Via/Pad" at 4351.51,2701.95 h59.76
  text "Pad Shape" at 4846.55,2701.95 h59.76
  text "Template" at 5471.03,2701.95 h59.76
  text "Hole Length" at 6461.9,2701.95 h59.76
  text "Routed Path Length" at 7369.79,2701.95 h59.76
  text "124" at 463.5,2577.45 h49.8
  text "10.00mil (0.254mm)" at 956.5,2577.45 h49.8
  text "PTH" at 1872.69,2577.45 h49.8
  text "Round" at 2298.03,2577.45 h49.8
  text "Component Side - Solder Side" at 2912.56,2577.45 h49.8
  text "Via" at 4351.51,2577.45 h49.8
  text "Rounded" at 4846.55,2577.45 h49.8
  text "v46h25m0mx0" at 5471.03,2577.45 h49.8
  text "-" at 6461.9,2577.45 h49.8
  text "-" at 7369.79,2577.45 h49.8
  text "36" at 463.5,2452.94 h49.8
  text "35.43mil (0.900mm)" at 956.5,2452.94 h49.8
  text "PTH" at 1872.69,2452.94 h49.8
  text "Round" at 2298.03,2452.94 h49.8
  text "Component Side - Solder Side" at 2912.56,2452.94 h49.8
  text "Pad" at 4351.51,2452.94 h49.8
  text "Rounded" at 4846.55,2452.94 h49.8
  text "c180h90" at 5471.03,2452.94 h49.8
  text "-" at 6461.9,2452.94 h49.8
  text "-" at 7369.79,2452.94 h49.8
  text "2" at 463.5,2328.43 h49.8
  text "25.59mil (0.650mm)" at 956.5,2328.43 h49.8
  text "PTH" at 1872.69,2328.43 h49.8
  text "Slot" at 2298.03,2328.43 h49.8
  text "Component Side - Solder Side" at 2912.56,2328.43 h49.8
  text "Pad" at 4351.51,2328.43 h49.8
  text "Rounded" at 4846.55,2328.43 h49.8
  text "r140_100h65_105r100" at 5471.03,2328.43 h49.8
  text "41.34mil (1.050mm)" at 6461.9,2328.43 h49.8
  text "15.75mil (0.400mm)" at 7369.79,2328.43 h49.8
  text "2" at 463.5,2203.92 h49.8
  text "27.56mil (0.700mm)" at 956.5,2203.92 h49.8
  text "PTH" at 1872.69,2203.92 h49.8
  text "Slot" at 2298.03,2203.92 h49.8
  text "Component Side - Solder Side" at 2912.56,2203.92 h49.8
  text "Pad" at 4351.51,2203.92 h49.8
  text "Rounded" at 4846.55,2203.92 h49.8
  text "r170_120h70_120r100" at 5471.03,2203.92 h49.8
  text "47.24mil (1.200mm)" at 6461.9,2203.92 h49.8
  text "19.69mil (0.500mm)" at 7369.79,2203.92 h49.8
  text "164 Total" at 463.5,2079.42 h49.8
  text "Slot definitions :" at 38.17,1955.68 h49.8
  text "Routed Path Length" at 900.11,1955.68 h49.8
  text "= Calculated from tool start centre position to tool end centre position." at 1820.13,1955.68 h49.8
  text "Hole Length" at 900.11,1869.3 h49.8
  text "= Routed Path Length + Tool Size = Slot length as defined in the PCB layout" at 1479.92,1869.3 h49.8

## Dimensions
0,350 to 2400,350 on Mechanical 1
2400,350 to 2400,-350 on Mechanical 1

## Text inside footprints (layer, text, board x,y; h text height)
USB1: Mechanical 1 "PCB Edge" at 10.83,-165.35 h19.68 r270